# Altium PCB MainboardV2.PcbDoc (part 1 of 2)
Units mm, origin at the board's own origin, x right, y up, seen from the top; angles counter-clockwise.
Board outline 100 x 200 mm, 2 copper layers (Top Layer, Bottom Layer); 154 components, 96 nets, 524 pads, 219 vias.
Unrouted connection lines stored in the file: 2.
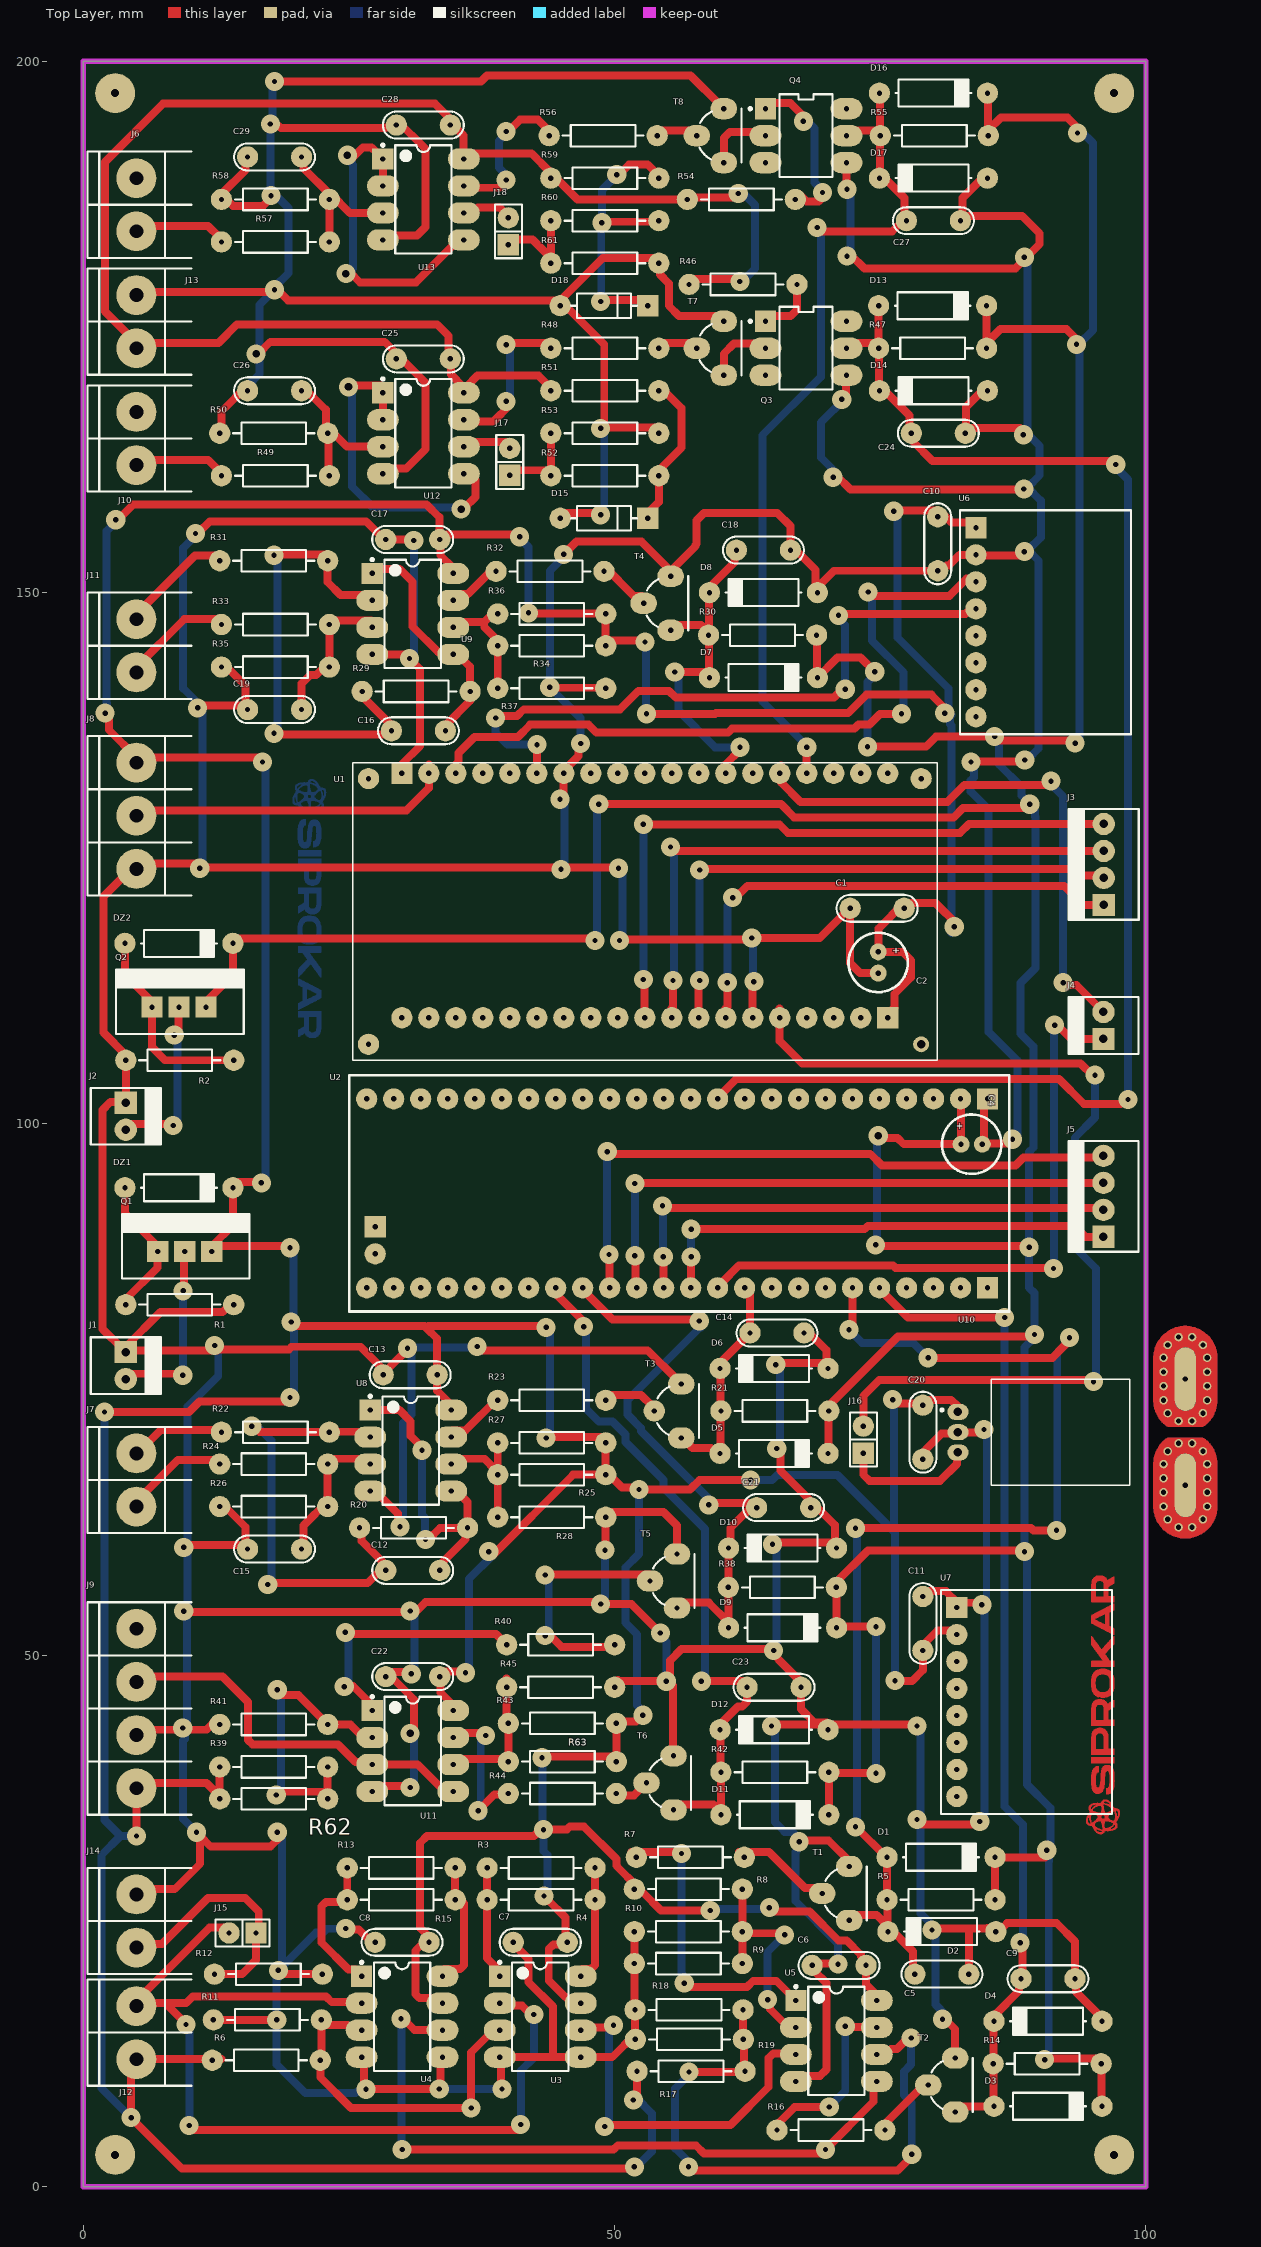
[diagram p0: Top Layer view]
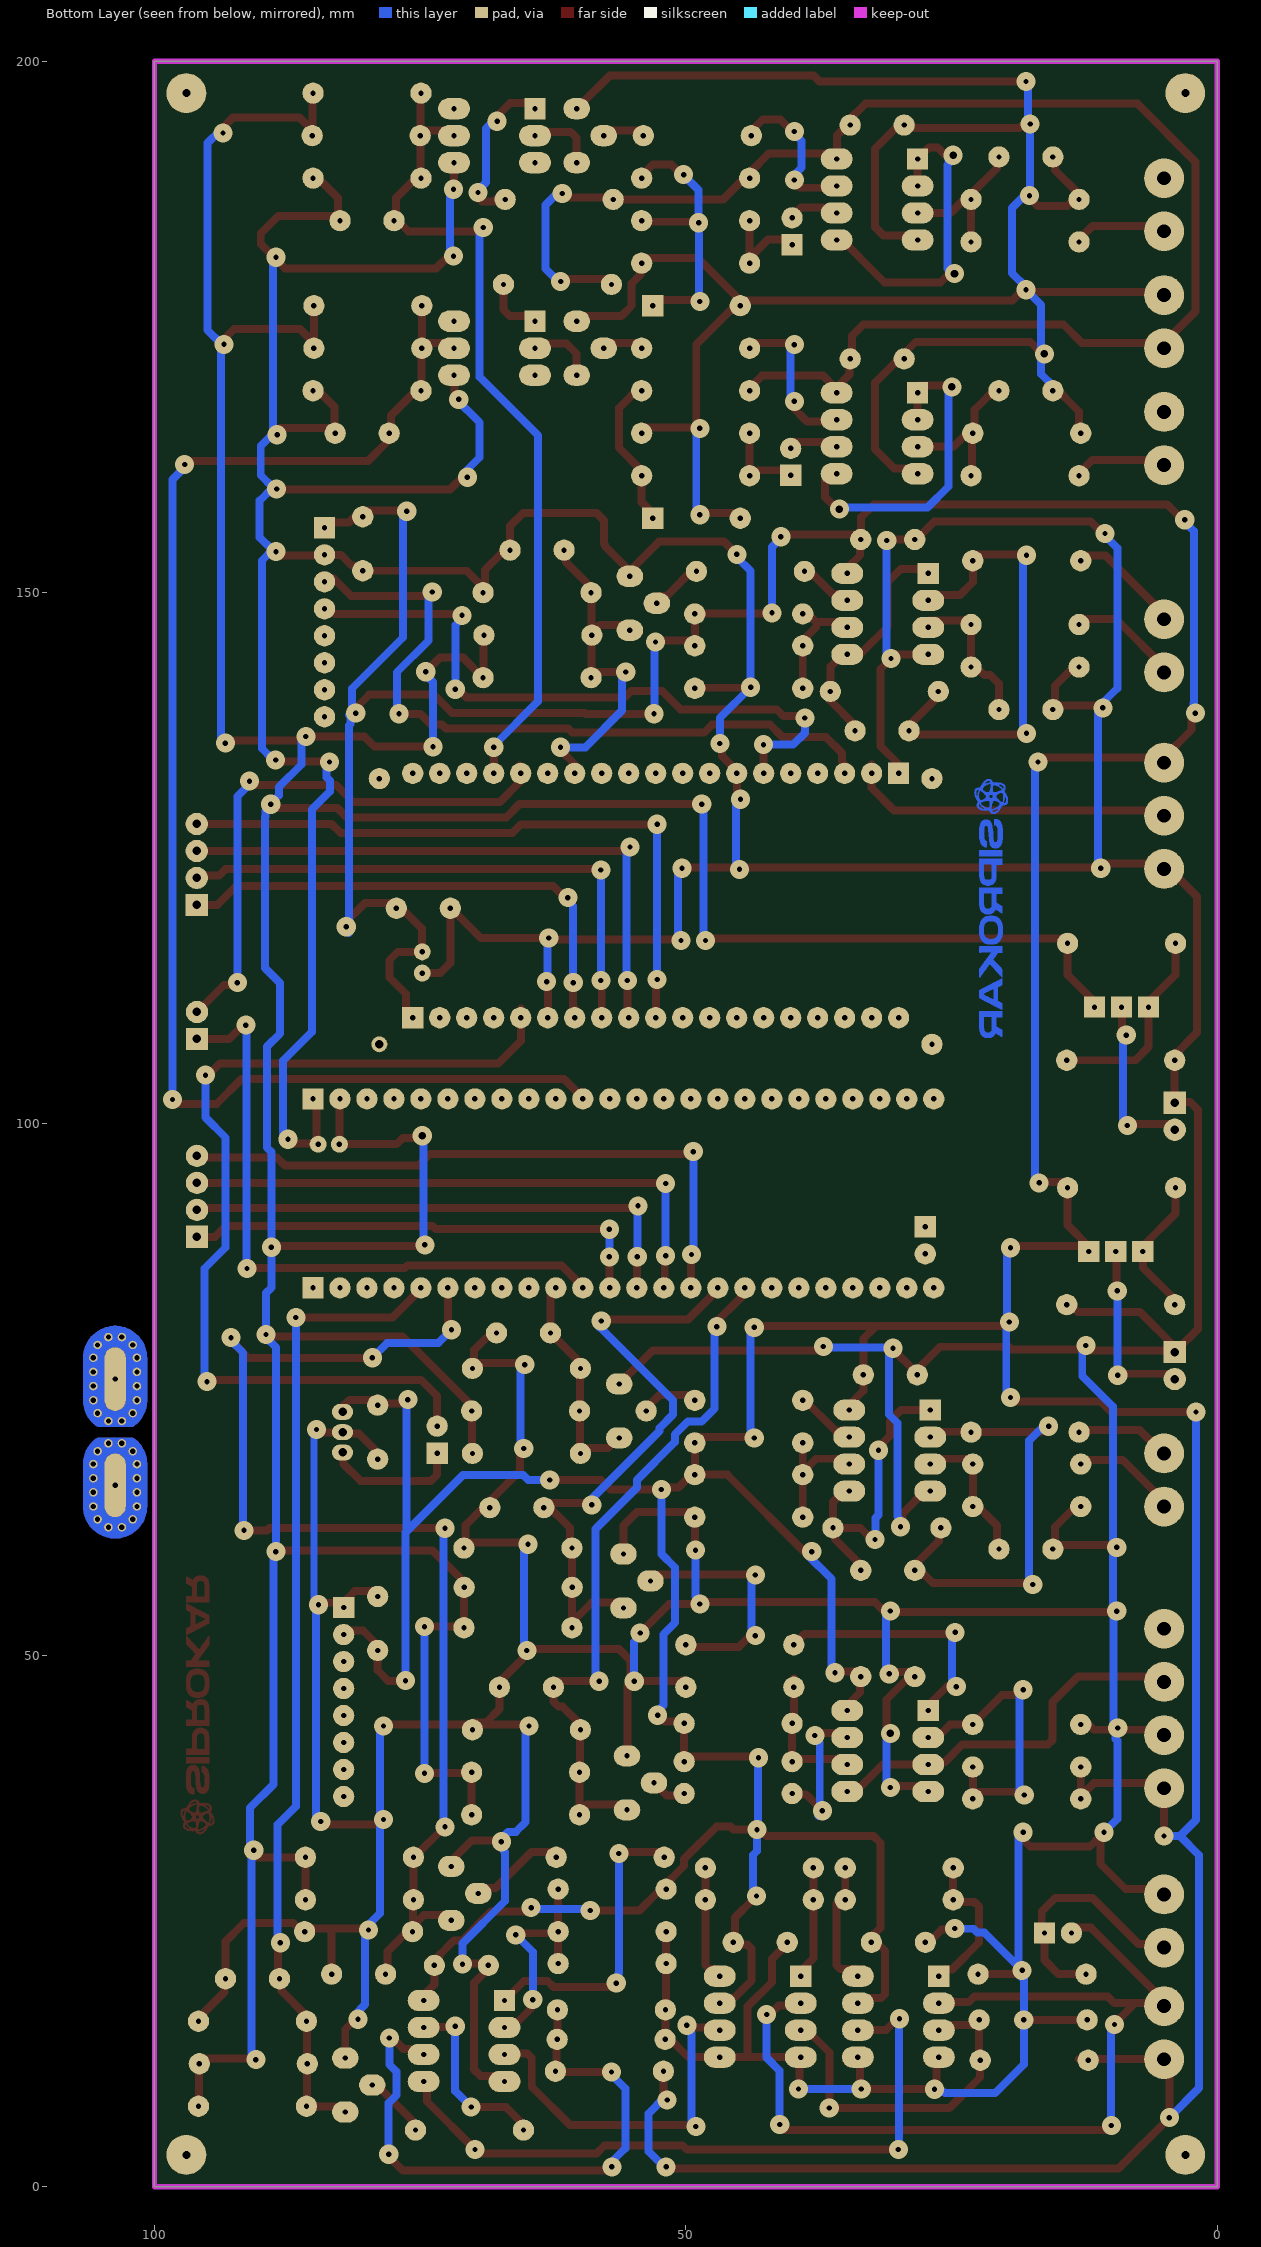
[diagram p1: Bottom Layer view, seen from below]

## Layer stack, top to bottom
Top Solder: solder mask 0.0102, Solder Resist, Dk 3.5
Top Layer: signal copper 0.0356
Dielectric 1: dielectric 0.32, FR-4, Dk 4.8
Bottom Layer: signal copper 0.0356
Bottom Solder: solder mask 0.0102, Solder Resist, Dk 3.5

## Board outline
0,0 100,0 100,200 0,200

## Design rules (kind name [scope] priority, off if disabled: settings)
Clearance [All] p1: gap=0.7 ignorepadtopadclearanceinfootprint=TRUE except(0.5: Arc-SMDPad Arc-THPad Arc-Via Track-SMDPad Track-THPad Track-Via SMDPad-SMDPad SMDPad-THPad SMDPad-Via THPad-THPad THPad-Via Via-Via)
MinimumSolderMaskSliver [All] p1: minsoldermaskwidth=0.203
PolygonConnect [All] p1: connectstyle=Relief reliefconductorwidth=0.254 reliefentries=4 polygonreliefangle="90 Angle" airgapwidth=0.254
RoutingVias [All] p1: holewidth=0.711 width=1.27 viastyle="Through Hole" minholewidth=0.711 minwidth=1.27 maxholewidth=0.711 maxwidth=1.27
SilkToSolderMaskClearance [IsPad] p1: minsilkscreentomaskgap=0 clearancetoexposedcopper=TRUE
SolderMaskExpansion [All] p1: expansion=0.102 istentingtop=FALSE
Width [All] p1: maxlimit=0.8 minlimit=0.203 preferedwidth=0.75
28 further rules are at their usual default settings.

## Classes and differential pairs
channel class Interface_Voltage_Sensor_1: Interface_Voltage_Sensor_2 nterface_Voltage_Sensor_1
channel class Interface_CAN: Interface_CAN_1 Interface_CAN_2
component class U_Interface_Current_Sensor_2: C21 C22 C23 D9 D10 D11 D12 R38 R39 R40 R41 R42 R43 R44 R45 R62 R63 T5 T6 U11
component class U_Control_Processing_Unit: U1 U2
component class U_Connectors: DZ1 DZ2 J1 J2 J3 J4 J5 J6 J7 J8 J9 J10 J11 J12 J13 J14 Q1 Q2 R1 R2
component class nterface_Voltage_Sensor_1: C27 C28 C29 D16 D17 D18 J18 Q4 R54 R55 R56 R57 R58 R59 R60 R61 T8
component class Interface_Voltage_Sensor_2: C24 C25 C26 D13 D14 D15 J17 Q3 R46 R47 R48 R49 R50 R51 R52 R53 T7 U12
component class Interface_Current_Sensor_1: C20 J16 U10
component class Interface_CAN_2: C16 C17 C18 C19 D7 D8 R29 R30 R31 R32 R33 R34 R35 R36 R37 T4 U9
component class Interface_CAN_1: C12 C13 C14 C15 D5 D6 R20 R21 R22 R23 R24 R25 R26 R27 R28 T3 U8
component class Interface_Accelerometer_2: C11 U7
component class Interface_Accelerometer_1: C10 U6
component class Interace_PT100: C5 C6 C7 C8 C9 D1 D2 D3 D4 J15 R3 R4 R5 R6 R7 R8 R9 R10 R11 R12 R13 R14 R15 R16 R17 R18 R19 T1 T2 U3 U4 U5

## Components (designator, comment, footprint, x,y, rotation, side; value= is the part's Value field where it differs from the comment)
C1 "100nF" CAP200 74.7,120.3 r180 top (schematic designator C15)
C2 "10uF" CAP100RP 74.8,115.2 r270 top (schematic designator C16)
C4 "10uF" CAP100RP 83.6,98.1 r0 top (schematic designator C14)
C5 "1nF" CAP200 80.794,20 r0 top (schematic designator C20)
C6 "100nF" CAP200 71.12,20.828 r180 top (schematic designator C11)
C7 "100nF" CAP200 43,23 r180 top (schematic designator C12)
C8 "100nF" CAP200 30,23 r180 top (schematic designator C13)
C9 "1nF" CAP200 90.778,19.572 r0 top (schematic designator C21)
C10 "100nF" CAP200 80.4,154.6 r270 top (schematic designator C1)
C11 "100nF" CAP200 79,53 r90 top (schematic designator C2)
C12 "8.2nF" CAP200 31,58 r0 top (schematic designator C4)
C13 "100nF" CAP200 30.76,76.4 r180 top (schematic designator C5)
C14 "CAP" CAP200 65.276,80.337 r0 top (schematic designator C17)
C15 "8.2nF" CAP200 18,60 r180 top (schematic designator C6)
C16 "8.2nF" CAP200 31.54,137 r0 top (schematic designator C4)
C17 "100nF" CAP200 31,155 r180 top (schematic designator C5)
C18 "CAP" CAP200 64,154 r0 top (schematic designator C17)
C19 "8.2nF" CAP200 18,139 r180 top (schematic designator C6)
C20 "100nF" CAP200 79,71 r270 top (schematic designator C3)
C21 "1nF" CAP200 65.9,63.9 r0 top (schematic designator C18)
C22 "100nF" CAP200 31,48 r180 top (schematic designator C7)
C23 "1nF" CAP200 65,47 r0 top (schematic designator C19)
C24 "CAP" CAP200 80.46,165 r0 top (schematic designator C22)
C25 "100nF" CAP200 32,172 r180 top (schematic designator C8)
C26 "820nF" CAP200 18,169 r180 top (schematic designator C10)
C27 "CAP" CAP200 80,185 r0 top (schematic designator C22)
C28 "100nF" CAP200 32,194 r180 top (schematic designator C8)
C29 "820nF" CAP200 18,191 r180 top (schematic designator C10)
D1 "DIODO SCHOTTKY" DO41 80.714,31 r0 top (schematic designator D8)
D2 "DIODO SCHOTTKY" DO41 80.794,24 r180 top (schematic designator D9)
D3 "DIODO SCHOTTKY" DO41 90.778,7.572 r0 top (schematic designator D10)
D4 "DIODO SCHOTTKY" DO41 90.778,15.572 r180 top (schematic designator D11)
D5 "DIODO SCHOTTKY" DO41 65,69 r0 top (schematic designator D1)
D6 "DIODO SCHOTTKY" DO41 65,77 r180 top (schematic designator D3)
D7 "DIODO SCHOTTKY" DO41 64,142 r0 top (schematic designator D1)
D8 "DIODO SCHOTTKY" DO41 64,150 r180 top (schematic designator D3)
D9 "DIODO SCHOTTKY" DO41 65.8,52.6 r0 top (schematic designator D4)
D10 "DIODO SCHOTTKY" DO41 65.8,60.1 r180 top (schematic designator D5)
D11 "DIODO SCHOTTKY" DO41 65.08,35 r0 top (schematic designator D6)
D12 "DIODO SCHOTTKY" DO41 65,43 r180 top (schematic designator D7)
D13 "DIODO SCHOTTKY" DO41 79.92,177 r0 top (schematic designator D12)
D14 "DIODO SCHOTTKY" DO41 80,169 r180 top (schematic designator D13)
D15 "1N829A" FP-DO-35-MFG 49,157 r180 top (schematic designator D2)
D16 "DIODO SCHOTTKY" DO41 80,197 r0 top (schematic designator D12)
D17 "DIODO SCHOTTKY" DO41 80,189 r180 top (schematic designator D13)
D18 "1N829A" FP-DO-35-MFG 49,177 r180 top (schematic designator D2)
DZ1 "DIODO ZENER" DO41 9,94 r0 top
DZ2 "DIODO ZENER" DO41 9,117 r0 top
J1 "MOLEX2" MOLEX2 4,78.54 r270 top (schematic designator J3)
J2 "MOLEX2" MOLEX2 4,102 r270 top (schematic designator J5)
J3 "MOLEX4" MOLEX4 96.021,120.612 r90 top (schematic designator J15)
J4 "MOLEX2" MOLEX2 96,108 r90 top
J5 "MOLEX4" MOLEX4 96,89.38 r90 top (schematic designator J17)
J6 "BORNERA 2" BORNERA2 5,186.5 r0 top
J7 "BORNERA 2" BORNERA2 5,66.5 r0 top
J8 "BORNERA 3" BORNERA3 5,129 r0 top
J9 "BORNERA 4" BORNERA4 5,45 r0 top (schematic designator J4)
J10 "BORNERA 2" BORNERA2 5,164.5 r0 top (schematic designator J13)
J11 "BORNERA 2" BORNERA2 5,145 r0 top (schematic designator J10)
J12 "BORNERA 2" BORNERA2 5,14.5 r0 top (schematic designator J11)
J13 "BORNERA 2" BORNERA2 5,175.5 r0 top (schematic designator J9)
J14 "BORNERA 2" BORNERA2 5,25 r0 top (schematic designator J12)
J15 "JUMPER" JUMPER2 14.986,23.876 r180 top (schematic designator J14)
J16 "JUMPER" JUMPER2 73.4,70.3 r90 top (schematic designator J1)
J17 "JUMPER" JUMPER2 40.132,162.306 r90 top (schematic designator J2)
J18 "JUMPER" JUMPER2 40,184 r90 top (schematic designator J2)
Q1 "MOSFET P" "TO-220 V" 9.54,88 r0 top
Q2 "MOSFET P" "TO-220 V" 9,111 r0 top
Q3 "4N25" FP-4N25-MFG 68,173 r0 top (schematic designator Q4)
Q4 "4N25" FP-4N25-MFG 68,193 r0 top
R1 "RES" RES400 14.16,83 r180 top
R2 "RES" RES400 4,106 r0 top
R3 "68K" RES400 48.16,30 r180 top (schematic designator R38)
R4 "120K" RES400 48.16,27 r180 top (schematic designator R32)
R5 "500K" RES400 75.634,27 r0 top (schematic designator R29)
R6 "100" RES400 22.3,11.9 r180 top (schematic designator R26)
R7 "1K" RES400 52.04,31 r0 top (schematic designator R33)
R8 "10K" RES400 51.856,28 r0 top (schematic designator R34)
R9 "15K" RES400 51.856,21 r0 top (schematic designator R35)
R10 "22K" RES400 51.856,24 r0 top (schematic designator R36)
R11 "100" RES400 12.24,15.7 r0 top (schematic designator R30)
R12 "100" RES400 22.5,20 r180 top (schematic designator R31)
R13 "68K" RES400 35,30 r180 top (schematic designator R37)
R14 "500K" RES400 85.618,11.572 r0 top (schematic designator R39)
R15 "47K" RES400 35,27 r180 top (schematic designator R40)
R16 "1K" RES400 65.278,5.334 r0 top (schematic designator R41)
R17 "10K" RES400 52.11,10.867 r0 top (schematic designator R42)
R18 "15K" RES400 51.92,16.647 r0 top (schematic designator R43)
R19 "22K" RES400 51.95,13.867 r0 top (schematic designator R44)
R20 "1K" RES400 36.16,62 r180 top (schematic designator R3)
R21 "500K" RES400 60,73 r0 top (schematic designator R4)
R22 "1K" RES400 13,71 r0 top (schematic designator R5)
R23 "1K" RES400 39,74 r0 top (schematic designator R6)
R24 "1K" RES400 12.84,68 r0 top (schematic designator R7)
R25 "30K" RES400 49.16,67 r180 top (schematic designator R8)
R26 "1K" RES400 12.84,64 r0 top (schematic designator R9)
R27 "30K" RES400 49.16,70 r180 top (schematic designator R10)
R28 "10K" RES400 49.16,63 r180 top (schematic designator R11)
R29 "1K" RES400 36.4,140.7 r180 top (schematic designator R3)
R30 "500K" RES400 58.84,146 r0 top (schematic designator R4)
R31 "1K" RES400 12.84,153 r0 top (schematic designator R5)
R32 "1K" RES400 38.84,152 r0 top (schematic designator R6)
R33 "1K" RES400 13,147 r0 top (schematic designator R7)
R34 "30K" RES400 49.16,145 r180 top (schematic designator R8)
R35 "1K" RES400 13,143 r0 top (schematic designator R9)
R36 "30K" RES400 49.16,148 r180 top (schematic designator R10)
R37 "10K" RES400 49.16,141 r180 top (schematic designator R11)
R38 "500K" RES400 60.7,56.4 r0 top (schematic designator R12)
R39 "30K" RES400 12.84,39.5 r0 top (schematic designator R13)
R40 "1K" RES400 39.84,51 r0 top (schematic designator R14)
R41 "20K" RES400 12.84,43.5 r0 top (schematic designator R15)
R42 "500K" RES400 60,39 r0 top (schematic designator R16)
R43 "30K" RES400 50.16,43.6 r180 top (schematic designator R25)
R44 "1K" RES400 40,37 r0 top (schematic designator R27)
R45 "10K" RES400 50,47 r180 top (schematic designator R28)
R46 "100K" RES400 67.16,179 r180 top (schematic designator R17)
R47 "500K" RES400 74.84,173 r0 top (schematic designator R18)
R48 "1k" RES400 44,173 r0 top (schematic designator R20)
R49 "1K" RES400 13,161 r0 top (schematic designator R19)
R50 "10" RES400 12.84,165 r0 top (schematic designator R21)
R51 "510" RES400 44,169 r0 top (schematic designator R22)
R52 "820" RES400 54.16,161 r180 top (schematic designator R23)
R53 "390" RES400 54.16,165 r180 top (schematic designator R24)
R54 "100K" RES400 67,187 r180 top (schematic designator R17)
R55 "500K" RES400 75,193 r0 top (schematic designator R18)
R56 "1k" RES400 43.84,193 r0 top (schematic designator R20)
R57 "1K" RES400 13,183 r0 top (schematic designator R19)
R58 "10" RES400 13,187 r0 top (schematic designator R21)
R59 "510" RES400 44,189 r0 top (schematic designator R22)
R60 "820" RES400 54.16,185 r180 top (schematic designator R23)
R61 "390" RES400 54.16,181 r180 top (schematic designator R24)
R62 "30K" RES400 12.84,36.5 r0 top (schematic designator R45)
R63 "30K" RES400 50.16,40 r180 top (schematic designator R46)
T1 "BC547" TO92#1 70.8,27.6 r270 top (schematic designator T4)
T2 "BC547" TO92#1 80.778,9.572 r270 top (schematic designator T5)
T3 "BC547" TO92#2 55,73 r270 top (schematic designator T1)
T4 "BC547" TO92#1 54,149 r270 top (schematic designator T1)
T5 "BC547" TO92#1 54.6,57 r270 top (schematic designator T2)
T6 "BC547" TO92#1 54.27,38 r270 top (schematic designator T3)
T7 "TRANSISTOR NPN" TO92#1 59,173 r270 top (schematic designator T6)
T8 "TRANSISTOR NPN" TO92#1 59,193 r270 top (schematic designator T6)
U1 "ESP32_NODEMCU" MODULE_ESP32_NODEMCU 52.84,120 r90 top (schematic designator U2)
U2 "UPDUINO" UPDUINO 85.09,102.362 r270 top
U3 "INA122P" P0008A 43,16 r0 top (schematic designator U10)
U4 "INA122P" P0008A 30,16 r0 top (schematic designator U11)
U5 "LM358AP" P0008A 70.866,13.716 r0 top (schematic designator U9)
U6 "GY-521 MPU6050" "GY-521 MPU6050" 84,156.1 r0 top (schematic designator U3)
U7 "ADXL345 Arduino" "GY-521 MPU6050" 82.2,54.5 r0 top (schematic designator U4)
U8 "LM358AP" P0008A 30.81,69.27 r0 top (schematic designator U6)
U9 "LM358AP" P0008A 31,148 r0 top (schematic designator U6)
U10 "ACS772LCB-100U-PFF-T" XDCR_ACS772LCB-100U-PFF-T 93,71 r270 top (schematic designator U5)
U11 "LM358AP" P0008A 31,41 r0 top (schematic designator U7)
U12 "LM358AP" P0008A 32,165 r0 top (schematic designator U8)
U13 "LM358AP" P0008A 32,187 r0 top (schematic designator U8)

## Footprints (in the part's own frame and the unit in brackets; to place one, negate y for a bottom-side part, rotate by r counter-clockwise, add the part's x,y. Pads: shape width x height; smd on the part's side, far side on the other; paste and mask are expansions set on the pad)
BORNERA2 [mm] "Bornera con Tornillos 5mm separación"
  round 3.75 hole 1.3: 1(0,2.5) 2(0,-2.5)
  silkscreen extent -4.6,-5 5.2,5, body extent -3.76,-4.89 3.94,5.61, height 10
BORNERA3 [mm] "Bornera con Tornillos 5mm separación"
  round 3.75 hole 1.3: 1(0,5) 2(0,0) 3(0,-5)
  silkscreen extent -4.6,-7.5 5.2,7.5, body extent -3.76,-7.39 3.94,8.11, height 10.05
BORNERA4 [mm] "Bornera con Tornillos 5mm separación"
  round 3.75 hole 1.3: 1(0,7.5) 2(0,2.5) 3(0,-2.5) 4(0,-7.5)
  silkscreen extent -4.6,-10 5.2,10, body extent -3.76,-9.89 3.94,10.61, height 10
CAP100RP [mm] "Body diameter 5mm"
  round 1.6 hole 0.5: 1(-1,0) 2(1,0)
  silkscreen extent -2.79,-2.79 2.79,2.79, body extent -2.53,-2.51 2.53,2.54, height 11.53
CAP200 [mm]
  round 2 hole 0.5: 1(-2.54,0) 2(2.54,0)
  silkscreen extent -3.81,-1.27 3.81,1.27, body extent -2.79,-1.17 2.79,1.12, height 6.24
DO41 [mm]
  round 2 hole 0.5: 1(-5.08,0) 2(5.08,0)
  silkscreen extent -3.56,-1.27 3.56,1.27, body extent -5.46,-1.19 5.46,1.37, height 2.03
FP-4N25-MFG [mm]
  rect 2x2 hole 0.5 paste-2539.97 mask+0: 1(-3.81,2.54)
  oval 3x2 hole 0.5 paste-2539.97 mask+0: 2(-3.81,0) 3(-3.81,-2.54) 4(3.81,-2.54) 5(3.81,0) 6(3.81,2.54)
  silkscreen extent -5.36,-3.9 2.5,3.9, body extent -4.58,-4 4.58,4, height 0.25
FP-DO-35-MFG [mm]
  rect 2x2 hole 0.5 paste-2539.97 mask+0: 1(-4.12,0)
  round 2 hole 0.5 paste-2539.97 mask+0: 2(4.12,0)
  silkscreen extent -3.1,-1.14 3.1,1.14, body extent -4.84,-1.24 4.84,1.24, height 0.25
"GY-521 MPU6050" [mm]
  rect 2x2 hole 0.5: 1(0,0)
  round 2 hole 0.5: 2(0,-2.54) 3(0,-5.08) 4(0,-7.62) 5(0,-10.16) 6(0,-12.7) 7(0,-15.24) 8(0,-17.78)
  silkscreen extent -1.49,-19.43 14.6,1.65
JUMPER2 [mm]
  rect 2x2 hole 0.5: 1(-1.27,0)
  round 2 hole 0.5: 2(1.27,0)
  silkscreen extent -2.54,-1.27 2.54,1.27, body extent -2.46,-1.27 2.54,1.27, height 9.5
MODULE_ESP32_NODEMCU [mm]
  rect 2x2 hole 0.5: J4_1(13,22.86) J5_1(-10,-22.86)
  round 2 hole 0.5: J4_2(13,20.32) J4_3(13,17.78) J4_4(13,15.24) J4_5(13,12.7) J4_6(13,10.16) J4_7(13,7.62) J4_8(13,5.08) J4_9(13,2.54) J4_10(13,0) J4_11(13,-2.54) J4_12(13,-5.08) J4_13(13,-7.62) J4_14(13,-10.16) J4_15(13,-12.7) J4_16(13,-15.24) J4_17(13,-17.78) J4_18(13,-20.32) J4_19(13,-22.86) J5_2(-10,-20.32) J5_3(-10,-17.78) J5_4(-10,-15.24) J5_5(-10,-12.7) J5_6(-10,-10.16) J5_7(-10,-7.62) J5_8(-10,-5.08) J5_9(-10,-2.54) J5_10(-10,0) J5_11(-10,2.54) J5_12(-10,5.08) J5_13(-10,7.62) J5_14(-10,10.16) J5_15(-10,12.7) J5_16(-10,15.24) J5_17(-10,17.78) J5_18(-10,20.32) J5_19(-10,22.86)
  round 2 hole 0.5 unplated: ""(-12.5,26) ""(12.5,26) ""(12.5,-26)
  round 1.5 hole 0.8: ""(-12.5,-26)
  silkscreen extent -14,-27.5 14,27.5, body extent -14.25,-28.15 14.25,27.5, height 7.05
MOLEX2 [mm]
  rect 2.1x2.1 hole 0.8: 1(0,0)
  round 2.1 hole 0.8: 2(2.54,0)
  silkscreen extent -1.4,-3.3 3.94,3.3, body extent -1.27,-3.18 3.81,3.18, height 10.74
MOLEX4 [mm]
  rect 2.1x2.1 hole 0.8: 1(0,0)
  round 2.1 hole 0.8: 2(2.54,0) 3(5.08,0) 4(7.62,0)
  silkscreen extent -1.4,-3.3 9.02,3.3, body extent -1.27,-3.17 8.89,3.18, height 10.74
P0008A [mm] "DIP, 8-Leads, Body 10.15x6.6mm, Pitch 2.54mm"
  rect 2x2 hole 0.5: 1(-3.81,3.81)
  oval 3x2 hole 0.5: 2(-3.81,1.27) 3(-3.81,-1.27) 4(-3.81,-3.81) 5(3.81,-3.81) 6(3.81,-1.27) 7(3.81,1.27) 8(3.81,3.81)
  silkscreen extent -3.93,-5.1 2.65,5.23, body extent -3.95,-5.07 3.95,5.07, height 5.08
RES400 [mm]
  round 2 hole 0.5: 1(0,0) 2(10.16,0)
  silkscreen extent 1.27,-1.02 8.89,1.02, body extent -0.3,-1.14 10.46,1.17, height 2.43
TO92#1 [mm]
  oval 2x2.5 hole 0.5: 1(0,-1.27) 2(2.54,1.27) 3(-2.54,1.27)
  silkscreen extent -2.54,-1 2.54,2.92, body extent -2.79,-1.55 2.79,2.79, height 8
TO92#2 [mm]
  round 2 hole 0.5: 1(0,-1.27)
  oval 2x2.5 hole 0.5: 2(2.54,1.27) 3(-2.54,1.27)
  silkscreen extent -2.54,-1 2.54,2.92, body extent -2.79,-1.55 2.79,2.79, height 8
"TO-220 V" [mm]
  rect 2x2 hole 0.5: 1(-2.54,0) 2(0,0) 3(2.54,0)
  silkscreen extent -5.9,-2.54 6.1,3.54, body extent -5,-2 5,3, height 18